# Altium PCB PCB1.PcbDoc (part 7 of 14) (continued)
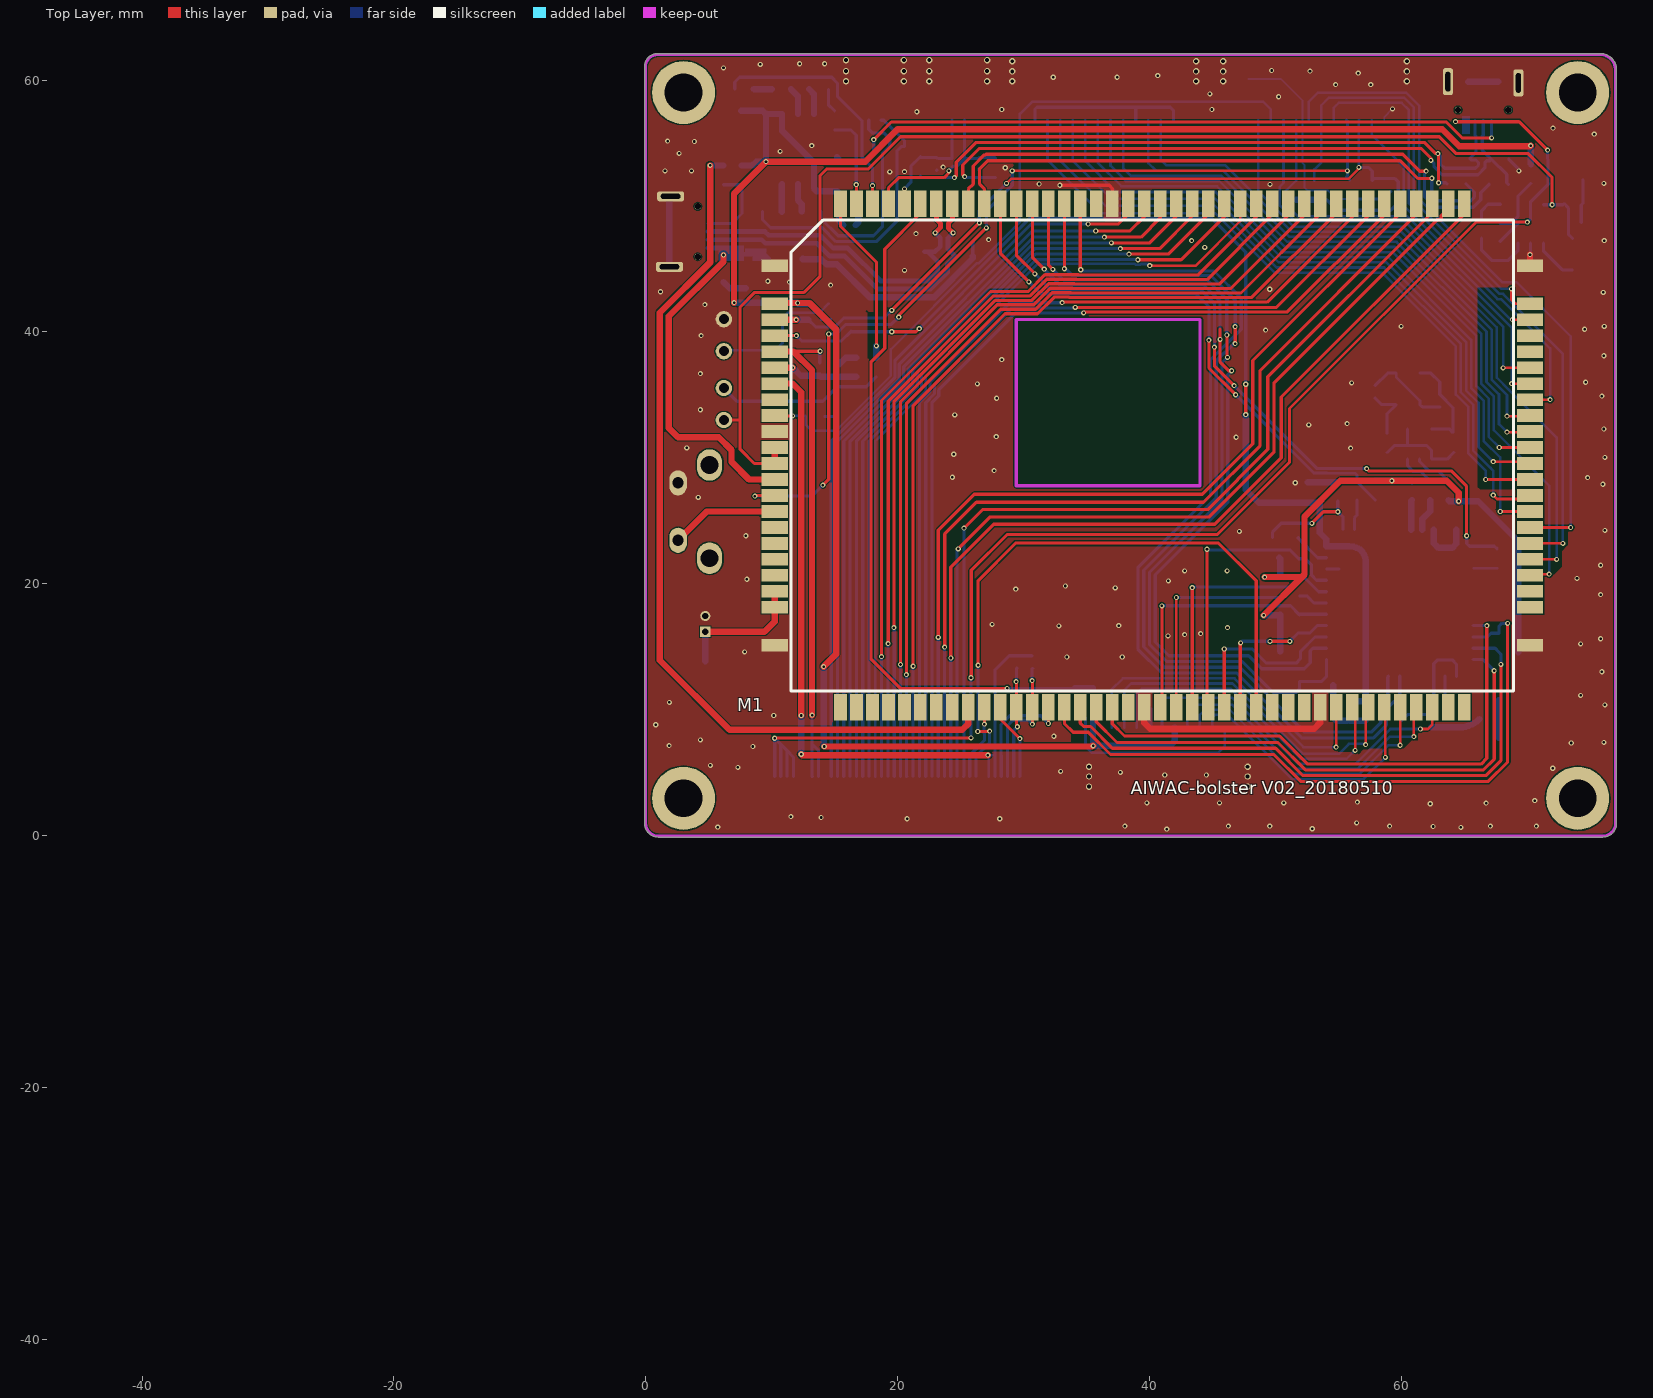
[diagram p0: Top Layer view]
## Free pads (board coordinates) (continued)
1(-45.261,-40.496) 1(-45.261,-40.496) 1(-45.261,-40.506) 1(-45.261,-40.506) 1(-45.261,-40.506) 1(-45.261,-40.506) 1(-45.261,-40.506) 1(-45.261,-40.506) 1(-45.261,-40.508) 1(-45.261,-40.508) 1(-45.261,-40.508) 1(-45.261,-40.503) 1(-45.261,-40.503) 1(-45.261,-40.503) 1(-45.261,-40.503) 1(-45.261,-40.503) 1(-45.261,-40.503) 1(-45.261,-40.502) 1(-45.261,-40.502) 1(-45.261,-40.502) 1(-45.261,-40.502) 1(-45.261,-40.502) 1(-45.261,-40.502) 1(-45.261,-40.5) 1(-45.261,-40.5) 1(-45.261,-40.5) 1(-45.261,-40.5) 1(-45.261,-40.5) 1(-45.261,-40.5) 1(-45.261,-40.5) 1(-45.261,-40.5) 1(-45.261,-40.5) 1(-45.261,-40.5) 1(-45.261,-40.5) 1(-45.261,-40.5) 1(-45.261,-40.472) 1(-45.261,-40.472) 1(-45.261,-40.472) 1(-45.261,-40.47) 1(-45.261,-40.47) 1(-45.261,-40.47) 1(-45.261,-40.47) 1(-45.261,-40.47) 1(-45.261,-40.47) 1(-45.261,-40.466) 1(-45.261,-40.466) 1(-45.261,-40.466) 1(-45.26,-40.499) 1(-45.26,-40.499) 1(-45.26,-40.499) 1(-45.26,-40.507) 1(-45.26,-40.507) 1(-45.26,-40.507) 1(-45.26,-40.506) 1(-45.26,-40.506) 1(-45.26,-40.506) 1(-45.26,-40.506) 1(-45.26,-40.506) 1(-45.26,-40.506) 1(-45.26,-40.506) 1(-45.26,-40.506) 1(-45.26,-40.506) 1(-45.26,-40.505) 1(-45.26,-40.505) 1(-45.26,-40.505) 1(-45.26,-40.505) 1(-45.26,-40.505) 1(-45.26,-40.505) 1(-45.26,-40.504) 1(-45.26,-40.504) 1(-45.26,-40.504) 1(-45.26,-40.504) 1(-45.26,-40.504) 1(-45.26,-40.504) 1(-45.26,-40.503) 1(-45.26,-40.503) 1(-45.26,-40.503) 1(-45.26,-40.501) 1(-45.26,-40.501) 1(-45.26,-40.501) 1(-45.26,-40.503) 1(-45.26,-40.503) 1(-45.26,-40.503) 1(-45.26,-40.509) 1(-45.26,-40.509) 1(-45.26,-40.509) 1(-45.26,-40.509) 1(-45.26,-40.509) 1(-45.26,-40.509) 1(-45.26,-40.508) 1(-45.26,-40.508) 1(-45.26,-40.508) 1(-45.26,-40.508) 1(-45.26,-40.508) 1(-45.26,-40.508) 1(-45.26,-40.496) 1(-45.26,-40.496) 1(-45.26,-40.496) 1(-45.26,-40.509) 1(-45.26,-40.509) 1(-45.26,-40.509) 1(-45.26,-40.509) 1(-45.26,-40.509) 1(-45.26,-40.509) 1(-45.26,-40.509) 1(-45.26,-40.509) 1(-45.26,-40.509) 1(-45.26,-40.509) 1(-45.26,-40.509) 1(-45.26,-40.509) 1(-45.26,-40.481) 1(-45.26,-40.481) 1(-45.26,-40.481) 1(-45.26,-40.508) 1(-45.26,-40.508) 1(-45.26,-40.508) 1(-45.26,-40.508) 1(-45.26,-40.508) 1(-45.26,-40.508) 1(-45.26,-40.51) 1(-45.26,-40.51) 1(-45.26,-40.51) 1(-45.26,-40.51) 1(-45.26,-40.51) 1(-45.26,-40.51) 1(-45.26,-40.51) 1(-45.26,-40.51) 1(-45.26,-40.51) 1(-45.26,-40.51) 1(-45.26,-40.51) 1(-45.26,-40.51) 1(-45.26,-40.47) 1(-45.26,-40.47) 1(-45.26,-40.47) 1(-45.26,-40.47) 1(-45.26,-40.47) 1(-45.26,-40.47) 1(-45.26,-40.466) 1(-45.26,-40.466) 1(-45.26,-40.466) 1(-45.26,-40.506) 1(-45.26,-40.506) 1(-45.26,-40.506) 1(-45.26,-40.506) 1(-45.26,-40.506) 1(-45.26,-40.506) 1(-45.26,-40.512) 1(-45.26,-40.512) 1(-45.26,-40.512) 1(-45.26,-40.516) 1(-45.26,-40.516) 1(-45.26,-40.516) 1(-45.26,-40.516) 1(-45.26,-40.516) 1(-45.26,-40.516) 1(-45.26,-40.513) 1(-45.26,-40.513) 1(-45.26,-40.513) 1(-45.259,-40.511) 1(-45.259,-40.511) 1(-45.259,-40.511) 1(-45.259,-40.511) 1(-45.259,-40.511) 1(-45.259,-40.511) 1(-45.259,-40.503) 1(-45.259,-40.503) 1(-45.259,-40.503) 1(-45.259,-40.503) 1(-45.259,-40.503) 1(-45.259,-40.503) 1(-45.259,-40.502) 1(-45.259,-40.502) 1(-45.259,-40.502) 1(-45.259,-40.5) 1(-45.259,-40.5) 1(-45.259,-40.5) 1(-45.259,-40.499) 1(-45.259,-40.499) 1(-45.259,-40.499) 1(-45.259,-40.499) 1(-45.259,-40.499) 1(-45.259,-40.499) 1(-45.259,-40.505) 1(-45.259,-40.505) 1(-45.259,-40.505) 1(-45.259,-40.505) 1(-45.259,-40.505) 1(-45.259,-40.505) 1(-45.259,-40.505) 1(-45.259,-40.505) 1(-45.259,-40.505) 1(-45.259,-40.503) 1(-45.259,-40.503) 1(-45.259,-40.503) 1(-45.259,-40.503) 1(-45.259,-40.503) 1(-45.259,-40.503) 1(-45.259,-40.504) 1(-45.259,-40.504) 1(-45.259,-40.504) 1(-45.259,-40.504) 1(-45.259,-40.504) 1(-45.259,-40.504) 1(-45.259,-40.508) 1(-45.259,-40.508) 1(-45.259,-40.508) 1(-45.259,-40.508) 1(-45.259,-40.508) 1(-45.259,-40.508) 1(-45.259,-40.507) 1(-45.259,-40.507) 1(-45.259,-40.507) 1(-45.259,-40.507) 1(-45.259,-40.507) 1(-45.259,-40.507) 1(-45.259,-40.506) 1(-45.259,-40.506) 1(-45.259,-40.506) 1(-45.259,-40.506) 1(-45.259,-40.506) 1(-45.259,-40.506) 1(-45.259,-40.506) 1(-45.259,-40.506) 1(-45.259,-40.506) 1(-45.259,-40.506) 1(-45.259,-40.506) 1(-45.259,-40.506) 1(-45.259,-40.517) 1(-45.259,-40.517) 1(-45.259,-40.517) 1(-45.259,-40.517) 1(-45.259,-40.517) 1(-45.259,-40.517) 1(-45.259,-40.498) 1(-45.259,-40.498) 1(-45.259,-40.498) 1(-45.259,-40.504) 1(-45.259,-40.504) 1(-45.259,-40.504) 1(-45.259,-40.504) 1(-45.259,-40.504) 1(-45.259,-40.504) 1(-45.259,-40.503) 1(-45.259,-40.503) 1(-45.259,-40.503) 1(-45.259,-40.503) 1(-45.259,-40.503) 1(-45.259,-40.503) 1(-45.259,-40.51) 1(-45.259,-40.51) 1(-45.259,-40.51) 1(-45.259,-40.51) 1(-45.259,-40.51) 1(-45.259,-40.51) 1(-45.259,-40.507) 1(-45.259,-40.507) 1(-45.259,-40.507) 1(-45.259,-40.507) 1(-45.259,-40.507) 1(-45.259,-40.507) 1(-45.259,-40.48) 1(-45.259,-40.48) 1(-45.259,-40.48) 1(-45.259,-40.48) 1(-45.259,-40.48) 1(-45.259,-40.48) 1(-45.259,-40.478) 1(-45.259,-40.478) 1(-45.259,-40.478) 1(-45.259,-40.478) 1(-45.259,-40.478) 1(-45.259,-40.478) 1(-45.259,-40.47) 1(-45.259,-40.47) 1(-45.259,-40.47) 1(-45.259,-40.47) 1(-45.259,-40.47) 1(-45.259,-40.47) 1(-45.259,-40.466) 1(-45.259,-40.466) 1(-45.259,-40.466) 1(-45.259,-40.478) 1(-45.259,-40.478) 1(-45.259,-40.478) 1(-45.259,-40.505) 1(-45.259,-40.505) 1(-45.259,-40.505) 1(-45.259,-40.505) 1(-45.259,-40.505) 1(-45.259,-40.505) 1(-45.259,-40.507) 1(-45.259,-40.507) 1(-45.259,-40.507) 1(-45.259,-40.507) 1(-45.259,-40.507) 1(-45.259,-40.507) 1(-45.259,-40.516) 1(-45.259,-40.516) 1(-45.259,-40.516) 1(-45.258,-40.478) 1(-45.258,-40.478) 1(-45.258,-40.478) 1(-45.258,-40.505) 1(-45.258,-40.505) 1(-45.258,-40.505) 1(-45.258,-40.505) 1(-45.258,-40.505) 1(-45.258,-40.505) 1(-45.258,-40.507) 1(-45.258,-40.507) 1(-45.258,-40.507) 1(-45.258,-40.506) 1(-45.258,-40.506) 1(-45.258,-40.506) 1(-45.258,-40.506) 1(-45.258,-40.506) 1(-45.258,-40.506) 1(-45.258,-40.509) 1(-45.258,-40.509) 1(-45.258,-40.509) 1(-45.258,-40.509) 1(-45.258,-40.509) 1(-45.258,-40.509) 1(-45.258,-40.509) 1(-45.258,-40.509) 1(-45.258,-40.509) 1(-45.258,-40.509) 1(-45.258,-40.509) 1(-45.258,-40.509) 1(-45.258,-40.509) 1(-45.258,-40.509) 1(-45.258,-40.509) 1(-45.258,-40.508) 1(-45.258,-40.508) 1(-45.258,-40.508) 1(-45.258,-40.507) 1(-45.258,-40.507) 1(-45.258,-40.507) 1(-45.258,-40.504) 1(-45.258,-40.504) 1(-45.258,-40.504) 1(-45.258,-40.504) 1(-45.258,-40.504) 1(-45.258,-40.504) 1(-45.258,-40.503) 1(-45.258,-40.503) 1(-45.258,-40.503) 1(-45.258,-40.506) 1(-45.258,-40.506) 1(-45.258,-40.506) 1(-45.258,-40.506) 1(-45.258,-40.506) 1(-45.258,-40.506) 1(-45.258,-40.509) 1(-45.258,-40.509) 1(-45.258,-40.509) 1(-45.258,-40.477) 1(-45.258,-40.477) 1(-45.258,-40.477) 1(-45.258,-40.477) 1(-45.258,-40.477) 1(-45.258,-40.477) 1(-45.258,-40.502) 1(-45.258,-40.502) 1(-45.258,-40.502) 1(-45.258,-40.502) 1(-45.258,-40.502) 1(-45.258,-40.502) 1(-45.258,-40.5) 1(-45.258,-40.5) 1(-45.258,-40.5) 1(-45.258,-40.5) 1(-45.258,-40.5) 1(-45.258,-40.5) 1(-45.258,-40.5) 1(-45.258,-40.5) 1(-45.258,-40.5) 1(-45.258,-40.47) 1(-45.258,-40.47) 1(-45.258,-40.47) 1(-45.258,-40.47) 1(-45.258,-40.47) 1(-45.258,-40.47) 1(-45.258,-40.466) 1(-45.258,-40.466) 1(-45.258,-40.466) 1(-45.258,-40.502) 1(-45.258,-40.502) 1(-45.258,-40.502) 1(-45.258,-40.502) 1(-45.258,-40.502) 1(-45.258,-40.502) 1(-45.258,-40.474) 1(-45.258,-40.474) 1(-45.258,-40.474) 1(-45.258,-40.474) 1(-45.258,-40.474) 1(-45.258,-40.474) 1(-45.257,-40.503) 1(-45.257,-40.503) 1(-45.257,-40.503) 1(-45.257,-40.507) 1(-45.257,-40.507) 1(-45.257,-40.507) 1(-45.257,-40.505) 1(-45.257,-40.505) 1(-45.257,-40.505) 1(-45.257,-40.511) 1(-45.257,-40.511) 1(-45.257,-40.511) 1(-45.257,-40.473) 1(-45.257,-40.473) 1(-45.257,-40.473) 1(-45.257,-40.473) 1(-45.257,-40.473) 1(-45.257,-40.473) 1(-45.257,-40.498) 1(-45.257,-40.498) 1(-45.257,-40.498) 1(-45.257,-40.47) 1(-45.257,-40.47) 1(-45.257,-40.47) 1(-45.257,-40.47) 1(-45.257,-40.47) 1(-45.257,-40.47) 1(-45.257,-40.466) 1(-45.257,-40.466) 1(-45.257,-40.466) 1(-45.257,-40.479) 1(-45.257,-40.479) 1(-45.257,-40.479) 1(-45.257,-40.479) 1(-45.257,-40.479) 1(-45.257,-40.479) 1(-45.257,-40.473) 1(-45.257,-40.473) 1(-45.257,-40.473) 1(-45.257,-40.473) 1(-45.257,-40.473) 1(-45.257,-40.473) 1(-45.257,-40.515) 1(-45.257,-40.515) 1(-45.257,-40.515) 1(-45.257,-40.512) 1(-45.257,-40.512) 1(-45.257,-40.512) 1(-45.257,-40.512) 1(-45.257,-40.512) 1(-45.257,-40.512) 1(-45.257,-40.505) 1(-45.257,-40.505) 1(-45.257,-40.505) 1(-45.257,-40.506) 1(-45.257,-40.506) 1(-45.257,-40.506) 1(-45.257,-40.508) 1(-45.257,-40.508) 1(-45.257,-40.508) 1(-45.257,-40.482) 1(-45.257,-40.482) 1(-45.257,-40.482) 1(-45.257,-40.509) 1(-45.257,-40.509) 1(-45.257,-40.509) 1(-45.257,-40.509) 1(-45.257,-40.509) 1(-45.257,-40.509) 1(-45.257,-40.507) 1(-45.257,-40.507) 1(-45.257,-40.507) 1(-45.257,-40.503) 1(-45.257,-40.503) 1(-45.257,-40.503) 1(-45.256,-40.481) 1(-45.256,-40.481) 1(-45.256,-40.481) 1(-45.256,-40.499) 1(-45.256,-40.499) 1(-45.256,-40.499) 1(-45.256,-40.518) 1(-45.256,-40.518) 1(-45.256,-40.518) 1(-45.256,-40.502) 1(-45.256,-40.502) 1(-45.256,-40.502) 1(-45.256,-40.5) 1(-45.256,-40.5) 1(-45.256,-40.5) 1(-45.256,-40.472) 1(-45.256,-40.472) 1(-45.256,-40.472) 1(-45.256,-40.472) 1(-45.256,-40.472) 1(-45.256,-40.472) 1(-45.256,-40.509) 1(-45.256,-40.509) 1(-45.256,-40.509) 1(-45.256,-40.509) 1(-45.256,-40.509) 1(-45.256,-40.509) 1(-45.256,-40.506) 1(-45.256,-40.506) 1(-45.256,-40.506) 1(-45.256,-40.506) 1(-45.256,-40.506) 1(-45.256,-40.506) 1(-45.256,-40.506) 1(-45.256,-40.506) 1(-45.256,-40.506) 1(-45.256,-40.503) 1(-45.256,-40.503) 1(-45.256,-40.503) 1(-45.256,-40.503) 1(-45.256,-40.503) 1(-45.256,-40.503) 1(-45.256,-40.503) 1(-45.256,-40.503) 1(-45.256,-40.503) 1(-45.256,-40.502) 1(-45.256,-40.502) 1(-45.256,-40.502) 1(-45.256,-40.502) 1(-45.256,-40.502) 1(-45.256,-40.502) 1(-45.256,-40.472) 1(-45.256,-40.472) 1(-45.256,-40.472) 1(-45.256,-40.472) 1(-45.256,-40.472) 1(-45.256,-40.472) 1(-45.256,-40.509) 1(-45.256,-40.509) 1(-45.256,-40.509) 1(-45.256,-40.509) 1(-45.256,-40.509) 1(-45.256,-40.509) 1(-45.256,-40.511) 1(-45.256,-40.511) 1(-45.256,-40.511) 1(-45.256,-40.511) 1(-45.256,-40.511) 1(-45.256,-40.511) 1(-45.256,-40.464) 1(-45.256,-40.464) 1(-45.256,-40.464) 1(-45.256,-40.47) 1(-45.256,-40.47) 1(-45.256,-40.47) 1(-45.256,-40.47) 1(-45.256,-40.47) 1(-45.256,-40.47) 1(-45.256,-40.466) 1(-45.256,-40.466) 1(-45.256,-40.466) 1(-45.256,-40.515) 1(-45.256,-40.515) 1(-45.256,-40.515) 1(-45.256,-40.512) 1(-45.256,-40.512) 1(-45.256,-40.512) 1(-45.256,-40.512) 1(-45.256,-40.512) 1(-45.256,-40.512) 1(-45.256,-40.478) 1(-45.256,-40.478) 1(-45.256,-40.478) 1(-45.256,-40.471) 1(-45.256,-40.471) 1(-45.256,-40.471) 1(-45.256,-40.471) 1(-45.256,-40.471) 1(-45.256,-40.471) 1(-45.255,-40.506) 1(-45.255,-40.506) 1(-45.255,-40.506) 1(-45.255,-40.508) 1(-45.255,-40.508) 1(-45.255,-40.508) 1(-45.255,-40.502) 1(-45.255,-40.502) 1(-45.255,-40.502) 1(-45.255,-40.503) 1(-45.255,-40.503) 1(-45.255,-40.503) 1(-45.255,-40.507) 1(-45.255,-40.507) 1(-45.255,-40.507) 1(-45.255,-40.511) 1(-45.255,-40.511) 1(-45.255,-40.511) 1(-45.255,-40.511) 1(-45.255,-40.511) 1(-45.255,-40.511) 1(-45.255,-40.496) 1(-45.255,-40.496) 1(-45.255,-40.496) 1(-45.255,-40.471) 1(-45.255,-40.471) 1(-45.255,-40.471) 1(-45.255,-40.471) 1(-45.255,-40.471) 1(-45.255,-40.471) 1(-45.255,-40.509) 1(-45.255,-40.509) 1(-45.255,-40.509) 1(-45.255,-40.465) 1(-45.255,-40.465) 1(-45.255,-40.465) 1(-45.255,-40.465) 1(-45.255,-40.465) 1(-45.255,-40.465) 1(-45.255,-40.465) 1(-45.255,-40.465) 1(-45.255,-40.465) 1(-45.255,-40.466) 1(-45.255,-40.466) 1(-45.255,-40.466) 1(-45.255,-40.465) 1(-45.255,-40.465) 1(-45.255,-40.465) 1(-45.255,-40.465) 1(-45.255,-40.465) 1(-45.255,-40.465) 1(-45.255,-40.498) 1(-45.255,-40.498) 1(-45.255,-40.498) 1(-45.255,-40.515) 1(-45.255,-40.515) 1(-45.255,-40.515) 1(-45.255,-40.512) 1(-45.255,-40.512) 1(-45.255,-40.512) 1(-45.255,-40.512) 1(-45.255,-40.512) 1(-45.255,-40.512) 1(-45.255,-40.508) 1(-45.255,-40.508) 1(-45.255,-40.508) 1(-45.255,-40.508) 1(-45.255,-40.508) 1(-45.255,-40.508) 1(-45.255,-40.502) 1(-45.255,-40.502) 1(-45.255,-40.502) 1(-45.255,-40.502) 1(-45.255,-40.502) 1(-45.255,-40.502) 1(-45.254,-40.512) 1(-45.254,-40.512) 1(-45.254,-40.512) 1(-45.254,-40.512) 1(-45.254,-40.512) 1(-45.254,-40.512) 1(-45.254,-40.508) 1(-45.254,-40.508) 1(-45.254,-40.508) 1(-45.254,-40.508) 1(-45.254,-40.508) 1(-45.254,-40.508) 1(-45.254,-40.502) 1(-45.254,-40.502) 1(-45.254,-40.502) 1(-45.254,-40.502) 1(-45.254,-40.502) 1(-45.254,-40.502) 1(-45.254,-40.5) 1(-45.254,-40.5) 1(-45.254,-40.5) 1(-45.254,-40.513) 1(-45.254,-40.513) 1(-45.254,-40.513) 1(-45.254,-40.47) 1(-45.254,-40.47) 1(-45.254,-40.47) 1(-45.254,-40.47) 1(-45.254,-40.47) 1(-45.254,-40.47) 1(-45.254,-40.466) 1(-45.254,-40.466) 1(-45.254,-40.466) 1(-45.254,-40.508) 1(-45.254,-40.508) 1(-45.254,-40.508) 1(-45.254,-40.508) 1(-45.254,-40.508) 1(-45.254,-40.508) 1(-45.254,-40.502) 1(-45.254,-40.502) 1(-45.254,-40.502) 1(-45.254,-40.502) 1(-45.254,-40.502) 1(-45.254,-40.502) 1(-45.253,-40.508) 1(-45.253,-40.508) 1(-45.253,-40.508) 1(-45.253,-40.508) 1(-45.253,-40.508) 1(-45.253,-40.508) 1(-45.253,-40.503) 1(-45.253,-40.503) 1(-45.253,-40.503) 1(-45.253,-40.503) 1(-45.253,-40.503) 1(-45.253,-40.503) 1(-45.253,-40.47) 1(-45.253,-40.47) 1(-45.253,-40.47) 1(-45.253,-40.47) 1(-45.253,-40.47) 1(-45.253,-40.47) 1(-45.253,-40.481) 1(-45.253,-40.481) 1(-45.253,-40.481) 1(-45.253,-40.518) 1(-45.253,-40.518) 1(-45.253,-40.518) 1(-45.253,-40.47) 1(-45.253,-40.47) 1(-45.253,-40.47) 1(-45.253,-40.47) 1(-45.253,-40.47) 1(-45.253,-40.47) 1(-45.253,-40.466) 1(-45.253,-40.466) 1(-45.253,-40.466) 1(-45.253,-40.51) 1(-45.253,-40.51) 1(-45.253,-40.51) 1(-45.253,-40.51) 1(-45.253,-40.51) 1(-45.253,-40.51) 1(-45.253,-40.505) 1(-45.253,-40.505) 1(-45.253,-40.505) 1(-45.253,-40.505) 1(-45.253,-40.505) 1(-45.253,-40.505) 1(-45.253,-40.515) 1(-45.253,-40.515) 1(-45.253,-40.515) 1(-45.253,-40.512) 1(-45.253,-40.512) 1(-45.253,-40.512) 1(-45.253,-40.512) 1(-45.253,-40.512) 1(-45.253,-40.512) 1(-45.253,-40.499) 1(-45.253,-40.499) 1(-45.253,-40.499) 1(-45.252,-40.51) 1(-45.252,-40.51) 1(-45.252,-40.51) 1(-45.252,-40.51) 1(-45.252,-40.51) 1(-45.252,-40.51) 1(-45.252,-40.512) 1(-45.252,-40.512) 1(-45.252,-40.512) 1(-45.252,-40.512) 1(-45.252,-40.512) 1(-45.252,-40.512) 1(-45.252,-40.47) 1(-45.252,-40.47) 1(-45.252,-40.47) 1(-45.252,-40.47) 1(-45.252,-40.47) 1(-45.252,-40.47) 1(-45.252,-40.509) 1(-45.252,-40.509) 1(-45.252,-40.509) 1(-45.252,-40.509) 1(-45.252,-40.509) 1(-45.252,-40.509) 1(-45.252,-40.478) 1(-45.252,-40.478) 1(-45.252,-40.478) 1(-45.252,-40.509) 1(-45.252,-40.509) 1(-45.252,-40.509) 1(-45.252,-40.509) 1(-45.252,-40.509) 1(-45.252,-40.509) 1(-45.252,-40.508) 1(-45.252,-40.508) 1(-45.252,-40.508) 1(-45.252,-40.503) 1(-45.252,-40.503) 1(-45.252,-40.503) 1(-45.252,-40.482) 1(-45.252,-40.482) 1(-45.252,-40.482) 1(-45.252,-40.506) 1(-45.252,-40.506) 1(-45.252,-40.506) 1(-45.252,-40.465) 1(-45.252,-40.465) 1(-45.252,-40.465) 1(-45.252,-40.465) 1(-45.252,-40.465) 1(-45.252,-40.465) 1(-45.252,-40.463) 1(-45.252,-40.463) 1(-45.252,-40.463) 1(-45.252,-40.466) 1(-45.252,-40.466) 1(-45.252,-40.466) 1(-45.252,-40.466) 1(-45.252,-40.466) 1(-45.252,-40.466) 1(-45.252,-40.466) 1(-45.252,-40.466) 1(-45.252,-40.466) 1(-45.252,-40.498) 1(-45.252,-40.498) 1(-45.252,-40.498) 1(-45.252,-40.496) 1(-45.252,-40.496) 1(-45.252,-40.496) 1(-45.252,-40.504) 1(-45.252,-40.504) 1(-45.252,-40.504) 1(-45.252,-40.504) 1(-45.252,-40.504) 1(-45.252,-40.504) 1(-45.252,-40.504) 1(-45.252,-40.504) 1(-45.252,-40.504) 1(-45.252,-40.504) 1(-45.252,-40.504) 1(-45.252,-40.504) 1(-45.251,-40.466) 1(-45.251,-40.466) 1(-45.251,-40.466) 1(-45.251,-40.508) 1(-45.251,-40.508) 1(-45.251,-40.508) 1(-45.251,-40.506) 1(-45.251,-40.506) 1(-45.251,-40.506) 1(-45.251,-40.515) 1(-45.251,-40.515) 1(-45.251,-40.515) 1(-45.251,-40.513) 1(-45.251,-40.513) 1(-45.251,-40.513) 1(-45.251,-40.513) 1(-45.251,-40.513) 1(-45.251,-40.513) 1(-45.25,-40.513) 1(-45.25,-40.513) 1(-45.25,-40.513) 1(-45.25,-40.513) 1(-45.25,-40.513) 1(-45.25,-40.513) 1(-45.25,-40.504) 1(-45.25,-40.504) 1(-45.25,-40.504) 1(-45.25,-40.504) 1(-45.25,-40.504) 1(-45.25,-40.504) 1(-45.25,-40.504) 1(-45.25,-40.504) 1(-45.25,-40.504) 1(-45.25,-40.504) 1(-45.25,-40.504) 1(-45.25,-40.504) 1(-45.25,-40.503) 1(-45.25,-40.503) 1(-45.25,-40.503) 1(-45.25,-40.501) 1(-45.25,-40.501) 1(-45.25,-40.501) 1(-45.25,-40.496) 1(-45.25,-40.496) 1(-45.25,-40.496) 1(-45.25,-40.482) 1(-45.25,-40.482) 1(-45.25,-40.482) 1(-45.25,-40.481) 1(-45.25,-40.481) 1(-45.25,-40.481) 1(-45.25,-40.508) 1(-45.25,-40.508) 1(-45.25,-40.508) 1(-45.25,-40.506) 1(-45.25,-40.506) 1(-45.25,-40.506) 1(-45.25,-40.515) 1(-45.25,-40.515) 1(-45.25,-40.515) 1(-45.25,-40.514) 1(-45.25,-40.514) 1(-45.25,-40.514) 1(-45.25,-40.514) 1(-45.25,-40.514) 1(-45.25,-40.514) 1(-45.249,-40.513) 1(-45.249,-40.513) 1(-45.249,-40.513) 1(-45.249,-40.513) 1(-45.249,-40.513) 1(-45.249,-40.513) 1(-45.249,-40.501) 1(-45.249,-40.501) 1(-45.249,-40.501) 1(-45.249,-40.501) 1(-45.249,-40.501) 1(-45.249,-40.501) 1(-45.249,-40.501) 1(-45.249,-40.501) 1(-45.249,-40.501) 1(-45.249,-40.501) 1(-45.249,-40.501) 1(-45.249,-40.501) 1(-45.249,-40.475) 1(-45.249,-40.475) 1(-45.249,-40.475) 1(-45.249,-40.475) 1(-45.249,-40.475) 1(-45.249,-40.475) 1(-45.249,-40.496) 1(-45.249,-40.496) 1(-45.249,-40.496) 1(-45.249,-40.496) 1(-45.249,-40.496) 1(-45.249,-40.496) 1(-45.249,-40.485) 1(-45.249,-40.485) 1(-45.249,-40.485) 1(-45.249,-40.485) 1(-45.249,-40.485) 1(-45.249,-40.485) 1(-45.249,-40.515) 1(-45.249,-40.515) 1(-45.249,-40.515) 1(-45.249,-40.514) 1(-45.249,-40.514) 1(-45.249,-40.514) 1(-45.249,-40.514) 1(-45.249,-40.514) 1(-45.249,-40.514) 1(-45.248,-40.473) 1(-45.248,-40.473) 1(-45.248,-40.473) 1(-45.248,-40.473) 1(-45.248,-40.473) 1(-45.248,-40.473) 1(-45.248,-40.514) 1(-45.248,-40.514) 1(-45.248,-40.514) 1(-45.248,-40.514) 1(-45.248,-40.514) 1(-45.248,-40.514) 1(-45.248,-40.473) 1(-45.248,-40.473) 1(-45.248,-40.473) 1(-45.248,-40.473) 1(-45.248,-40.473) 1(-45.248,-40.473) 1(-45.248,-40.474) 1(-45.248,-40.474) 1(-45.248,-40.474) 1(-45.248,-40.474) 1(-45.248,-40.474) 1(-45.248,-40.474) 1(-45.248,-40.472) 1(-45.248,-40.472) 1(-45.248,-40.472) 1(-45.248,-40.472) 1(-45.248,-40.472) 1(-45.248,-40.472) 1(-45.248,-40.496) 1(-45.248,-40.496) 1(-45.248,-40.496) 1(-45.248,-40.496) 1(-45.248,-40.496) 1(-45.248,-40.496) 1(-45.248,-40.485) 1(-45.248,-40.485) 1(-45.248,-40.485) 1(-45.248,-40.485) 1(-45.248,-40.485) 1(-45.248,-40.485) 1(-45.248,-40.518) 1(-45.248,-40.518) 1(-45.248,-40.518) 1(-45.248,-40.472) 1(-45.248,-40.472) 1(-45.248,-40.472) 1(-45.248,-40.472) 1(-45.248,-40.472) 1(-45.248,-40.472) 1(-45.248,-40.517) 1(-45.248,-40.517) 1(-45.248,-40.517) 1(-45.248,-40.517) 1(-45.248,-40.517) 1(-45.248,-40.517) 1(-45.248,-40.475) 1(-45.248,-40.475) 1(-45.248,-40.475) 1(-45.248,-40.475) 1(-45.248,-40.475) 1(-45.248,-40.475) 1(-45.248,-40.497) 1(-45.248,-40.497) 1(-45.248,-40.497) 1(-45.248,-40.497) 1(-45.248,-40.497) 1(-45.248,-40.497) 1(-45.248,-40.497) 1(-45.248,-40.497) 1(-45.248,-40.497) 1(-45.248,-40.497) 1(-45.248,-40.497) 1(-45.248,-40.497) 1(-45.248,-40.499) 1(-45.248,-40.499) 1(-45.248,-40.499) 1(-45.248,-40.471) 1(-45.248,-40.471) 1(-45.248,-40.471) 1(-45.248,-40.471) 1(-45.248,-40.471) 1(-45.248,-40.471) 1(-45.248,-40.502) 1(-45.248,-40.502) 1(-45.248,-40.502) 1(-45.248,-40.477) 1(-45.248,-40.477) 1(-45.248,-40.477) 1(-45.248,-40.477) 1(-45.248,-40.477) 1(-45.248,-40.477) 1(-45.248,-40.508) 1(-45.248,-40.508) 1(-45.248,-40.508) 1(-45.248,-40.497) 1(-45.248,-40.497) 1(-45.248,-40.497) 1(-45.248,-40.497) 1(-45.248,-40.497) 1(-45.248,-40.497) 1(-45.248,-40.497) 1(-45.248,-40.497) 1(-45.248,-40.497) 1(-45.248,-40.497) 1(-45.248,-40.497) 1(-45.248,-40.497) 1(-45.248,-40.471) 1(-45.248,-40.471) 1(-45.248,-40.471) 1(-45.248,-40.471) 1(-45.248,-40.471) 1(-45.248,-40.471) 1(-45.248,-40.506) 1(-45.248,-40.506) 1(-45.248,-40.506) 1(-45.248,-40.497) 1(-45.248,-40.497) 1(-45.248,-40.497) 1(-45.248,-40.497) 1(-45.248,-40.497) 1(-45.248,-40.497) 1(-45.248,-40.486) 1(-45.248,-40.486) 1(-45.248,-40.486) 1(-45.248,-40.486) 1(-45.248,-40.486) 1(-45.248,-40.486) 1(-45.248,-40.47) 1(-45.248,-40.47) 1(-45.248,-40.47) 1(-45.248,-40.47) 1(-45.248,-40.47) 1(-45.248,-40.47) 1(-45.248,-40.477) 1(-45.248,-40.477) 1(-45.248,-40.477) 1(-45.248,-40.477) 1(-45.248,-40.477) 1(-45.248,-40.477) 1(-45.248,-40.508) 1(-45.248,-40.508) 1(-45.248,-40.508) 1(-45.248,-40.508) 1(-45.248,-40.508) 1(-45.248,-40.508) 1(-45.248,-40.516) 1(-45.248,-40.516) 1(-45.248,-40.516) 1(-45.248,-40.516) 1(-45.248,-40.516) 1(-45.248,-40.516) 1(-45.248,-40.515) 1(-45.248,-40.515) 1(-45.248,-40.515) 1(-45.248,-40.47) 1(-45.248,-40.47) 1(-45.248,-40.47) 1(-45.248,-40.47) 1(-45.248,-40.47) 1(-45.248,-40.47) 1(-45.248,-40.476) 1(-45.248,-40.476) 1(-45.248,-40.476) 1(-45.248,-40.476) 1(-45.248,-40.476) 1(-45.248,-40.476) 1(-45.247,-40.485) 1(-45.247,-40.485) 1(-45.247,-40.485) 1(-45.247,-40.485) 1(-45.247,-40.485) 1(-45.247,-40.485) 1(-45.247,-40.514) 1(-45.247,-40.514) 1(-45.247,-40.514) 1(-45.247,-40.514) 1(-45.247,-40.514) 1(-45.247,-40.514) 1(-45.247,-40.476) 1(-45.247,-40.476) 1(-45.247,-40.476) 1(-45.247,-40.476) 1(-45.247,-40.476) 1(-45.247,-40.476) 1(-45.247,-40.497) 1(-45.247,-40.497) 1(-45.247,-40.497) 1(-45.247,-40.497) 1(-45.247,-40.497) 1(-45.247,-40.497) 1(-45.247,-40.487) 1(-45.247,-40.487) 1(-45.247,-40.487) 1(-45.247,-40.487) 1(-45.247,-40.487) 1(-45.247,-40.487) 1(-45.247,-40.479) 1(-45.247,-40.479) 1(-45.247,-40.479) 1(-45.247,-40.479) 1(-45.247,-40.479) 1(-45.247,-40.479) 1(-45.247,-40.513) 1(-45.247,-40.513) 1(-45.247,-40.513) 1(-45.247,-40.513) 1(-45.247,-40.513) 1(-45.247,-40.513) 1(-45.247,-40.476) 1(-45.247,-40.476) 1(-45.247,-40.476) 1(-45.247,-40.476) 1(-45.247,-40.476) 1(-45.247,-40.476) 1(-45.247,-40.512) 1(-45.247,-40.512) 1(-45.247,-40.512) 1(-45.247,-40.512) 1(-45.247,-40.512) 1(-45.247,-40.512) 1(-45.247,-40.486) 1(-45.247,-40.486) 1(-45.247,-40.486) 1(-45.247,-40.486) 1(-45.247,-40.486) 1(-45.247,-40.486) 1(-45.247,-40.513) 1(-45.247,-40.513) 1(-45.247,-40.513) 1(-45.247,-40.513) 1(-45.247,-40.513) 1(-45.247,-40.513) 1(-45.247,-40.512) 1(-45.247,-40.512) 1(-45.247,-40.512) 1(-45.247,-40.512) 1(-45.247,-40.512) 1(-45.247,-40.512) 1(-45.247,-40.48) 1(-45.247,-40.48) 1(-45.247,-40.48) 1(-45.247,-40.48) 1(-45.247,-40.48) 1(-45.247,-40.48) 1(-45.247,-40.511) 1(-45.247,-40.511) 1(-45.247,-40.511) 1(-45.247,-40.511) 1(-45.247,-40.511) 1(-45.247,-40.511) 1(-45.247,-40.484) 1(-45.247,-40.484) 1(-45.247,-40.484) 1(-45.247,-40.484) 1(-45.247,-40.484) 1(-45.247,-40.484) 1(-45.247,-40.492) 1(-45.247,-40.492) 1(-45.247,-40.492) 1(-45.247,-40.492) 1(-45.247,-40.492) 1(-45.247,-40.492) 1(-45.247,-40.487) 1(-45.247,-40.487) 1(-45.247,-40.487) 1(-45.247,-40.487) 1(-45.247,-40.487) 1(-45.247,-40.487) 1(-45.247,-40.511) 1(-45.247,-40.511) 1(-45.247,-40.511) 1(-45.247,-40.511) 1(-45.247,-40.511) 1(-45.247,-40.511) 1(-45.247,-40.494) 1(-45.247,-40.494) 1(-45.247,-40.494) 1(-45.247,-40.493) 1(-45.247,-40.493) 1(-45.247,-40.493) 1(-45.247,-40.506) 1(-45.247,-40.506) 1(-45.247,-40.506) 1(-45.247,-40.503) 1(-45.247,-40.503) 1(-45.247,-40.503) 1(-45.247,-40.51) 1(-45.247,-40.51) 1(-45.247,-40.51) 1(-45.247,-40.51) 1(-45.247,-40.51) 1(-45.247,-40.51) 1(-45.247,-40.508) 1(-45.247,-40.508) 1(-45.247,-40.508) 1(-45.247,-40.486) 1(-45.247,-40.486) 1(-45.247,-40.486) 1(-45.246,-40.51) 1(-45.246,-40.51) 1(-45.246,-40.51) 1(-45.246,-40.51) 1(-45.246,-40.51) 1(-45.246,-40.51) 1(-45.246,-40.482) 1(-45.246,-40.482) 1(-45.246,-40.482) 1(-45.246,-40.482) 1(-45.246,-40.482) 1(-45.246,-40.482) 1(-45.246,-40.492) 1(-45.246,-40.492) 1(-45.246,-40.492) 1(-45.246,-40.492) 1(-45.246,-40.492) 1(-45.246,-40.492) 1(-45.246,-40.49) 1(-45.246,-40.49) 1(-45.246,-40.49) 1(-45.246,-40.49) 1(-45.246,-40.49) 1(-45.246,-40.49) 1(-45.246,-40.485) 1(-45.246,-40.485) 1(-45.246,-40.485) 1(-45.246,-40.485) 1(-45.246,-40.485) 1(-45.246,-40.485) 1(-45.246,-40.49) 1(-45.246,-40.49) 1(-45.246,-40.49) 1(-45.246,-40.49) 1(-45.246,-40.49) 1(-45.246,-40.49) 1(-45.246,-40.485) 1(-45.246,-40.485) 1(-45.246,-40.485) 1(-45.246,-40.485) 1(-45.246,-40.485) 1(-45.246,-40.485) 1(-45.246,-40.509) 1(-45.246,-40.509) 1(-45.246,-40.509) 1(-45.246,-40.509) 1(-45.246,-40.509) 1(-45.246,-40.509) 1(-45.246,-40.483) 1(-45.246,-40.483) 1(-45.246,-40.483) 1(-45.246,-40.486) 1(-45.246,-40.486) 1(-45.246,-40.486) 1(-45.246,-40.486) 1(-45.246,-40.486) 1(-45.246,-40.486) 1(-45.246,-40.482) 1(-45.246,-40.482) 1(-45.246,-40.482) 1(-45.246,-40.482) 1(-45.246,-40.482) 1(-45.246,-40.482) 1(-45.246,-40.466) 1(-45.246,-40.466) 1(-45.246,-40.466) 1(-45.246,-40.495) 1(-45.246,-40.495) 1(-45.246,-40.495) 1(-45.246,-40.481) 1(-45.246,-40.481) 1(-45.246,-40.481) 1(-45.246,-40.481) 1(-45.246,-40.481) 1(-45.246,-40.481) 1(-45.246,-40.48) 1(-45.246,-40.48) 1(-45.246,-40.48) 1(-45.246,-40.48) 1(-45.246,-40.48) 1(-45.246,-40.48) 1(-45.246,-40.519) 1(-45.246,-40.519) 1(-45.246,-40.519) 1(-45.246,-40.519) 1(-45.246,-40.519) 1(-45.246,-40.519) 1(-45.246,-40.509) 1(-45.246,-40.509) 1(-45.246,-40.509) 1(-45.246,-40.509) 1(-45.246,-40.509) 1(-45.246,-40.509) 1(-45.246,-40.463) 1(-45.246,-40.463) 1(-45.246,-40.463) 1(-45.246,-40.463) 1(-45.246,-40.463) 1(-45.246,-40.463) 1(-45.246,-40.5) 1(-45.246,-40.5) 1(-45.246,-40.5) 1(-45.246,-40.493) 1(-45.246,-40.493) 1(-45.246,-40.493) 1(-45.246,-40.493) 1(-45.246,-40.493) 1(-45.246,-40.493) 1(-45.246,-40.492) 1(-45.246,-40.492) 1(-45.246,-40.492) 1(-45.246,-40.492) 1(-45.246,-40.492) 1(-45.246,-40.492) 1(-45.246,-40.491) 1(-45.246,-40.491) 1(-45.246,-40.491) 1(-45.246,-40.489) 1(-45.246,-40.489) 1(-45.246,-40.489) 1(-45.246,-40.488) 1(-45.246,-40.488) 1(-45.246,-40.488) 1(-45.246,-40.486) 1(-45.246,-40.486) 1(-45.246,-40.486) 1(-45.246,-40.486) 1(-45.246,-40.486) 1(-45.246,-40.486) 1(-45.246,-40.486) 1(-45.246,-40.486) 1(-45.246,-40.486) 1(-45.246,-40.485) 1(-45.246,-40.485) 1(-45.246,-40.485) 1(-45.245,-40.508) 1(-45.245,-40.508) 1(-45.245,-40.508) 1(-45.245,-40.508) 1(-45.245,-40.508) 1(-45.245,-40.508) 1(-45.245,-40.483) 1(-45.245,-40.483) 1(-45.245,-40.483) 1(-45.245,-40.482) 1(-45.245,-40.482) 1(-45.245,-40.482) 1(-45.245,-40.486) 1(-45.245,-40.486) 1(-45.245,-40.486) 1(-45.245,-40.486) 1(-45.245,-40.486) 1(-45.245,-40.486) 1(-45.245,-40.486) 1(-45.245,-40.486) 1(-45.245,-40.486) 1(-45.245,-40.486) 1(-45.245,-40.486) 1(-45.245,-40.486) 1(-45.245,-40.502) 1(-45.245,-40.502) 1(-45.245,-40.502) 1(-45.245,-40.48) 1(-45.245,-40.48) 1(-45.245,-40.48) 1(-45.245,-40.48) 1(-45.245,-40.48) 1(-45.245,-40.48) 1(-45.245,-40.482) 1(-45.245,-40.482) 1(-45.245,-40.482) 1(-45.245,-40.486) 1(-45.245,-40.486) 1(-45.245,-40.486) 1(-45.245,-40.491) 1(-45.245,-40.491) 1(-45.245,-40.491) 1(-45.245,-40.491) 1(-45.245,-40.491) 1(-45.245,-40.491) 1(-45.245,-40.491) 1(-45.245,-40.491) 1(-45.245,-40.491) 1(-45.245,-40.491) 1(-45.245,-40.491) 1(-45.245,-40.491) 1(-45.245,-40.491) 1(-45.245,-40.491) 1(-45.245,-40.491) 1(-45.245,-40.482) 1(-45.245,-40.482) 1(-45.245,-40.482) 1(-45.245,-40.482) 1(-45.245,-40.482) 1(-45.245,-40.482) 1(-45.245,-40.498) 1(-45.245,-40.498) 1(-45.245,-40.498) 1(-45.245,-40.511) 1(-45.245,-40.511) 1(-45.245,-40.511) 1(-45.245,-40.511) 1(-45.245,-40.511) 1(-45.245,-40.511) 1(-45.245,-40.511) 1(-45.245,-40.511) 1(-45.245,-40.511) 1(-45.245,-40.511) 1(-45.245,-40.511) 1(-45.245,-40.511) 1(-45.245,-40.472) 1(-45.245,-40.472) 1(-45.245,-40.472) 1(-45.245,-40.472) 1(-45.245,-40.472) 1(-45.245,-40.472) 1(-45.245,-40.466) 1(-45.245,-40.466) 1(-45.245,-40.466) 1(-45.245,-40.497) 1(-45.245,-40.497) 1(-45.245,-40.497) 1(-45.245,-40.48) 1(-45.245,-40.48) 1(-45.245,-40.48) 1(-45.245,-40.48) 1(-45.245,-40.48) 1(-45.245,-40.48) 1(-45.245,-40.48) 1(-45.245,-40.48) 1(-45.245,-40.48) 1(-45.245,-40.48) 1(-45.245,-40.48) 1(-45.245,-40.48) 1(-45.245,-40.489) 1(-45.245,-40.489) 1(-45.245,-40.489) 1(-45.245,-40.489) 1(-45.245,-40.489) 1(-45.245,-40.489) 1(-45.245,-40.48) 1(-45.245,-40.48) 1(-45.245,-40.48) 1(-45.245,-40.48) 1(-45.245,-40.48) 1(-45.245,-40.48) 1(-45.245,-40.489) 1(-45.245,-40.489) 1(-45.245,-40.489) 1(-45.245,-40.489) 1(-45.245,-40.489) 1(-45.245,-40.489)